# KiCad board jetson-agx-thor-baseboard.kicad_pcb (continued)
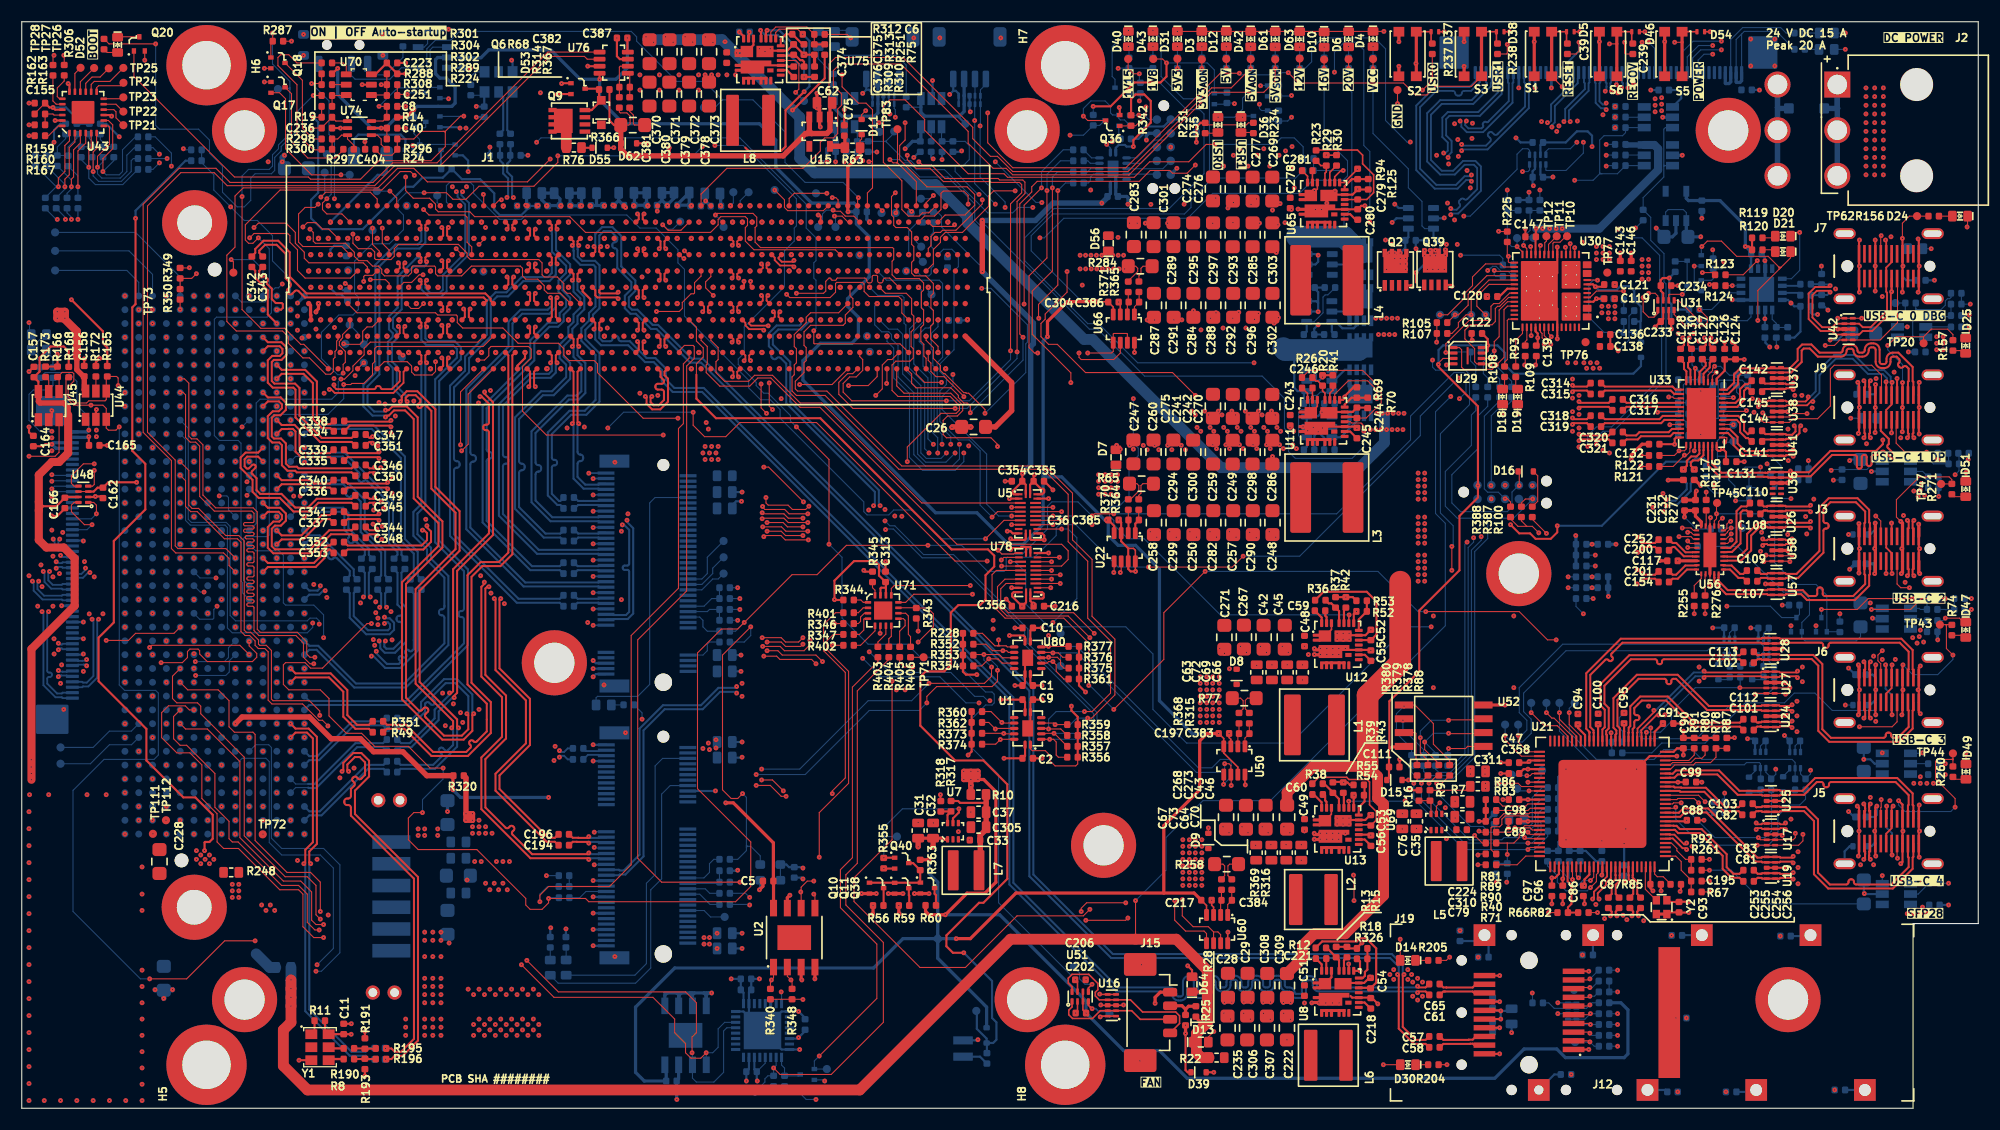
[diagram p0: board, top side]
## Routing (per net, layer and track width the routed paths; a pad name or vN(x,y) marks a point on that pad's centre or on a via; arc(x,y) is an arc through that point) (continued)
  Bottom w0.1: v1(29.57,67.66) 29.42,67.51 29.07,67.51 27.57,69.01 27.57,71.41 29.17,73.01 30.47,73.01 30.97,73.51 30.97,74.66 30.62,75.01 30.62,77.96 32.22,79.56 33.82,79.56 35.12,80.86 35.12,82.21 34.62,82.71 34.62,83.51 35.37,84.26 v1(37.02,84.26) ; v1(138.07,86.21) 138.57,86.21 138.72,86.36 U49.4 ; v1(62.62,88.51) 61.77,87.66 v1(49.32,87.66)
/CSI/CSIA_3V3: length 13.9
  Top w0.2: v1(2.77,61.11) 2.17,61.11 1.99,60.93 C164.2
  Bottom w0.1: v1(2.77,62.31) 1.67,62.31 0.67,63.31 0.67,65.71 1.07,66.11 2.47,66.11 2.87,66.51 R182.2
  Bottom w0.3: J11.47 3.13,60.75 v1(2.77,61.11) 2.91,61.25 J11.48
  vias: v1(2.77,61.71) v1(2.77,60.51)
/CSI/CSIA_3V3_ISET: length 1.5
  Top w0.1: U45.5 2.48,67.01 R173.2
/CSI/CSIA_5V: length 12.8
  Top w0.2: v1(6.17,61.81) 6.17,61.03 C165.2
  Bottom w0.1: R183.2 2.15,67.71 4.27,67.71 5.07,66.91 5.07,64.71 6.17,63.61 v1(6.17,62.41)
  Bottom w0.3: J11.50 6.01,62.25 v1(6.17,62.41) ; J11.49 6.11,61.75 v1(6.17,61.81)
  vias: v1(6.87,62.41) v1(6.87,61.81)
/CSI/CSIA_5V_ISET: length 1.3
  Top w0.1: R172.2 6.82,67.35 U44.5
/CSI/CSIA_I2C_VCC: length 7.8
  Bottom w0.1: R158.1 4.03,89.65 ; R158.1 4.04,89.24 3.27,88.47 R164.1 ; R158.1 3.97,89.58 ; R391.1 4.25,87.69 R389.1 4.27,88.47 5.07,89.27 R161.1 5.17,89.55
/CSI/CSIB_3V3: length 15
  Bottom w0.1: J10.48 157.23,98.37 158.32,99.46 161.82,99.46 162.32,98.96 R177.2
  Bottom w0.2: U47.1 152.67,92.96 152.67,93.71 C160.2
  Bottom w0.3: J10.48 157.23,94.47 157.07,94.31 156.77,94.31 156.73,94.35 J10.47
/CSI/CSIB_3V3_ISET: length 1.7
  Bottom w0.1: R180.2 147.57,91.21 U47.5
/CSI/CSIB_5V: length 15.2
  Bottom w0.1: 158.23,98.87 157.73,98.37 J10.49 ; 158.23,98.87 J10.50 ; 158.23,98.87 158.47,99.11 161.44,99.11 R178.2
  Bottom w0.3: J10.50 158.23,94.57 158.07,94.41 157.77,94.41 157.73,94.45 J10.49
/CSI/CSIB_5V_ISET: length 1.7
  Bottom w0.1: R179.2 149.25,87.73 U46.5
/CSI/CSIB_I2C_VCC: length 5.8
  Bottom w0.1: R170.1 6.22,89.26 6.47,89.01 R392.1 ; R171.1 R394.1 ; R393.1 7.47,88.91 7.23,89.15 R169.1 7.33,89.55 ; 6.13,89.58 6.2,89.65
/CSI/I2C_MUX_A0: length 2.6
  Top w0.1: R160.2 R159.1 2.87,91.51 2.97,91.41 U43.22
/CSI/I2C_MUX_RESET: length 2
  Top w0.1: U43.24 3.37,90.41 2.47,89.51 R167.2
/CSI/I2C_MUX_SCL: length 2.8
  Top w0.1: 3.91,95.06 3.91,94.55 3.27,93.91 3.27,93.11 3.47,92.91 U43.19
/CSI/I2C_MUX_SDA: length 3.3
  Top w0.1: R162.1 2.87,95.04 2.87,92.71 3.17,92.41 U43.20
/CSI/I2C_{CAM}.SCL: length 227.2
  Top w0.1: R163.2 3.91,96.87 v1(3.87,96.91)
  In5.Cu w0.1: v1(83.4,72.56) 83.85,72.11 85.87,72.11 85.97,72.01 85.97,70.27 84.74,69.04 84.59,69.04 84.54,68.98 84.34,68.98 83.77,68.41 83.77,66.81 83.27,66.31 83.27,65.13 76.87,58.73 76.87,50.41 76.52,50.06 76.52,47.96 76.87,47.61 76.87,42.61 77.57,41.91 77.57,41.61 v1(77.37,41.41) ; v1(88.07,37.31) 88.27,37.11 88.27,35.11 77.17,24.01 65.1,24.01 61.4,20.31 47.57,20.31 46.17,18.91 36.9,18.91 32.7,14.71 13.07,14.71 4.65,23.13 4.65,29.69 1.47,32.88 1.47,35.61 4.67,38.81 4.67,67.06 5.37,67.76 5.37,77.06 6.17,77.86 6.17,83.21 5.77,83.61 5.77,87.71 3.87,89.61 v1(3.87,96.91)
  Bottom w0.1: v1(77.37,41.41) 79.07,39.71 84.47,39.71 86.87,37.31 v1(88.07,37.31)
/CSI/I2C_{CAM}.SDA: length 231.4
  Top w0.1: v1(2.97,96.91) 2.88,96.82 R162.2
  In5.Cu w0.1: v1(2.97,96.91) 2.97,94.61 3.57,94.01 3.57,89.21 5.57,87.21 5.57,83.31 5.77,83.11 5.77,78.26 4.97,77.46 4.97,68.36 4.27,67.66 4.27,38.98 1.07,35.78 1.07,32.71 4.17,29.61 4.17,23.04 12.9,14.31 32.87,14.31 37.04,18.48 46.44,18.48 47.87,19.91 61.57,19.91 65.27,23.61 77.34,23.61 88.67,34.94 88.67,36.51 89.07,36.91 v1(89.07,37.51) ; v1(77.97,42.01) 77.86,42.12 77.78,42.12 77.17,42.73 77.17,47.76 76.82,48.11 76.82,49.81 77.17,50.16 77.17,58.61 83.57,65.01 83.57,66.21 84.07,66.71 84.07,68.41 84.44,68.78 84.62,68.78 84.67,68.84 84.9,68.84 86.27,70.21 86.27,72.71 85.62,73.36 83,73.36 v1(82.3,74.06)
  Bottom w0.1: v1(89.07,37.51) 88.87,37.51 88.47,37.91 87.67,37.91 85.47,40.11 79.87,40.11 v1(77.97,42.01)
/CSI/MUX_I2C_4_SCL: length 2.1
  Top w0.1: TP22.1 8.67,92.41 U43.11
/CSI/MUX_I2C_4_SDA: length 2.7
  Top w0.1: TP21.1 8.67,91.16 8.67,91.71 8.47,91.91 U43.10
/CSI/MUX_I2C_5_SCL: length 3
  Top w0.1: 6.89,93.56 6.89,93.93 7.07,94.11 9.09,94.11 TP24.1
/CSI/MUX_I2C_5_SDA: length 1.9
  Top w0.1: TP23.1 9.22,92.91 U43.12
/CSI/MUX_I2C_6_SCL: length 3.5
  Top w0.1: 5.89,93.56 5.89,94.33 6.47,94.91 7.21,94.91 TP26.1
/CSI/MUX_I2C_6_SDA: length 4.3
  Top w0.1: TP25.1 8.11,94.51 6.67,94.51 6.39,94.23 6.39,93.56
/CSI/MUX_I2C_7_SCL: length 2.4
  Top w0.1: 4.89,93.56 4.89,95.24 TP28.1
/CSI/MUX_I2C_7_SDA: length 2.7
  Top w0.1: TP27.1 5.39,94.47 5.39,93.56
/CSI/SCL_CAM0: length 9.3
  Top w0.1: U43.2 4.89,88.93 4.37,88.41 4.37,85.91 3.97,85.51 v1(3.97,84.81)
  Bottom w0.1: R390.2 3.97,85.03 v1(3.97,84.81) 3.97,84.59 R184.2
/CSI/SCL_CAM1: length 8.6
  Top w0.1: U43.4 5.89,88.83 5.17,88.11 5.17,84.71
  Bottom w0.1: R400.2 v1(5.17,84.81) 5.17,84.81 5.17,85.81 R389.2 ; 5.17,84.71 5.17,84.71
/CSI/SCL_CAM2: length 11.2
  Top w0.1: v1(6.57,86.21) 6.57,88.01 6.89,88.33 U43.6
  Bottom w0.1: R396.1 10.27,87.41 10.07,87.21 10.07,86.21 9.17,85.31 7.07,85.31 6.57,85.81 v1(6.57,86.21) 6.57,87.43 R392.2
/CSI/SCL_CAM3: length 13.4
  Top w0.1: v1(7.47,86.21) 7.47,87.41 8.37,88.31 8.37,90.51 7.97,90.91 U43.8
  Bottom w0.1: R398.1 10.47,89.41 9.27,88.21 9.27,86.21 8.97,85.91 7.77,85.91 v1(7.47,86.21) 8.47,87.21 R394.2
/CSI/SDA_CAM0: length 9.9
  Top w0.1: v1(3.37,84.81) 3.37,85.61 3.97,86.21 3.97,88.61 4.39,89.03 U43.1
  Bottom w0.1: R391.2 3.19,84.81 v1(3.37,84.81) 3.36,84.82 3.18,84.82 2.17,83.81 R181.2
/CSI/SDA_CAM1: length 9.1
  Top w0.1: v1(4.57,84.81) 4.57,85.51 4.77,85.71 4.77,88.21 5.39,88.83 U43.3
  Bottom w0.1: 3.45,86.73 R164.2 4.57,85.43 v1(4.57,84.81) 4.57,84.61 4.17,84.21 R399.2
/CSI/SDA_CAM2: length 10.8
  Top w0.1: U43.5 6.39,88.43 6.17,88.21 v1(6.17,86.61)
  Bottom w0.1: R395.1 9.29,85.01 6.77,85.01 6.17,85.61 v1(6.17,86.61) 5.47,87.31 R171.2
/CSI/SDA_CAM3: length 12.4
  Top w0.1: v1(6.97,86.61) 6.97,87.61 8.07,88.71 8.07,90.31 7.97,90.41 U43.7
  Bottom w0.1: R393.2 7.47,87.11 v1(6.97,86.61) ; v1(6.97,86.61) 6.94,86.64 ; v1(6.97,86.61) 6.97,86.01 7.37,85.61 9.07,85.61 9.67,86.21 9.67,87.71 10.37,88.41 R397.1
/CSI/VSYNC_CAM0_3V3: length 5.8
  Top w0.1: U48.8 4.82,55.76 4.57,55.51 4.57,54.91 5.77,53.71 v1(6.47,53.71)
  Bottom w0.1: J11.32 6.01,53.25 v1(6.47,53.71)
/CSI/VSYNC_CAM1_3V3: length 4.1
  Top w0.1: v1(6.87,54.71) 6.87,55.51 6.62,55.76 U48.1
  Bottom w0.1: v1(6.87,54.71) 6.41,54.25 J11.34
/CSI/VSYNC_CAM2_3V3: length 19.9
  In7.Cu w0.1: v1(149.07,98.11) 149.07,94.31 148.67,93.91 148.67,91.71 146.77,89.81 143.67,89.81 143.07,89.21 v1(143.07,88.91)
  Bottom w0.1: v1(143.07,88.91) 142.47,88.31 140.47,88.31 140.22,88.06 U49.8 ; v1(149.07,98.11) 149.07,96.51 149.23,96.35 J10.32
/CSI/VSYNC_CAM3_3V3: length 22
  In7.Cu w0.1: v1(143.67,88.91) 144.27,89.51 147.17,89.51 149.17,91.51 149.17,93.81 149.67,94.31 v1(149.67,98.11)
  Bottom w0.1: U49.1 140.22,86.36 140.27,86.31 142.07,86.31 143.67,87.91 v1(143.67,88.91) ; v1(149.67,98.11) 150.23,97.55 J10.34
/DCDC/CARRIER_PWR_ON: length 234.7
  Top w0.1: v1(130.47,28.11) 130.15,27.79 130.15,27.1 ; v1(122.57,19.11) 122.57,21.41 v1(122.52,21.46) ; v1(109.77,88.71) 108.97,88.71 107.37,87.11 103.77,87.11 102.34,85.69 90.69,85.69 90.37,86.01 87.07,86.01 83.07,90.01 83.07,91.01 81.27,92.81 79.87,92.81 79.27,92.21 79.27,87.06 80.97,85.36 80.97,82.71 81.57,82.11 82.57,82.11 82.87,82.41 83.45,82.41 J1.L62
  Top w0.15: v1(122.08,28.26) 122.08,27.65 ; v1(122.12,45.41) 122.09,45.39 U12.19
  Top w0.2: R355.2 v1(79.32,23.06) Q40.1 ; U8.19 122.09,13.26 v1(122.08,13.28) ; v1(86.22,27.56) 86.22,27.23 85.67,26.68 U7.5
  In4.Cu w0.1: v1(97.57,75.76) 96.47,75.76 96.14,75.44 96.14,73.69 102.72,67.11 102.72,65.76 v1(102.27,65.31)
  In5.Cu w0.1: v1(109.77,88.71) 109.77,85.11 103.57,78.91 103.57,76.74 102.59,75.76 v1(97.57,75.76)
  In7.Cu w0.1: v1(130.47,28.11) 130.27,28.31 v1(127.27,28.31) ; v1(122.52,21.46) 122.52,27.83 v1(122.08,28.26) ; v1(122.08,13.28) 122.08,17.11 122.57,17.6 v1(122.57,19.11) 116.38,19.11 107.13,28.36 87.02,28.36 v1(86.22,27.56)
  In7.Cu w0.15: v1(122.12,45.41) 122.87,44.66 122.87,32.71 v1(127.27,28.31)
  Bottom w0.1: v1(109.77,88.71) 115.27,88.71 115.87,89.31 117.07,89.31 117.89,88.49 R217.1 ; 79.42,25.01 79.32,25.11 ; 79.42,25.01 79.32,25.01 ; 79.42,25.01 79.32,24.91 79.32,24.81 ; 79.42,25.01 TP86.1 ; 79.32,25.11 79.32,25.01 ; 79.32,25.11 79.32,25.86 81.02,27.56 v1(86.22,27.56) ; v1(122.08,28.26) 127.22,28.26 v1(127.27,28.31) ; 79.32,25.01 79.32,24.81 ; 79.32,24.81 v1(79.32,23.06) ; v1(102.27,65.31) 102.27,61.21 102.72,60.76 102.72,60.06 101.87,59.21 101.87,56.31 100.97,55.41 100.27,55.41 100.07,55.21 100.07,54.51 100.47,54.11 100.47,53.71 101.77,52.41 103.27,52.41 110.27,45.41 v1(122.12,45.41)
/DCDC/~{VDDIN_PWR_BAD}: length 140.6
  Top w0.1: J1.L55 77.8,84.24 78.27,84.71 78.27,87.14 ; v1(71.2,93.5) 71.49,93.79 71.49,96.15 71.21,96.44 U75.14 ; 123.27,63.01 123.32,62.96 ; 123.32,62.96 123.48,62.8 123.48,62.32 v1(123.47,62.31) ; 123.32,62.96 123.21,63.07 122.36,63.07 122.24,63.19 U11.14 ; v1(77.94,87.12) 77.95,87.14 78.27,87.14 ; v1(26.67,90.21) C236.2 27.59,90.25 R19.1 28.9,90.86 U74.1 ; 78.27,87.14 78.27,91.91 77.67,92.51 76.97,92.51 75.47,94.01 v1(75.47,95.11)
  In5.Cu w0.1: v1(26.67,90.21) 28.47,90.21 31.07,92.81 37.97,92.81 38.97,93.81 47.07,93.81 48.37,95.11 51.27,95.11 52.17,94.21 69.03,94.21 69.74,93.5 v1(71.2,93.5) 72.81,95.11 v1(75.47,95.11)
  Bottom w0.1: v1(77.94,87.12) 77.96,87.12 78.27,86.81 81.52,86.81 82.62,85.71 85.2,85.71 87.67,83.24 87.67,81.76 88.17,81.26 88.67,81.26 98.22,71.71 98.97,71.71 103.29,67.39 114.12,67.39 116.17,65.34 116.17,62.56 116.54,62.19 116.54,60.44 117.17,59.81 122.39,59.81 123.47,60.89 v1(123.47,62.31) ; TP85.1 71.27,93.41 71.27,93.43 v1(71.2,93.5)
/Expansion connector/+V_{ADJ}: length 73.9
  Top w0.2: v1(16.82,23.71) 16.82,24.46 16.87,24.51 17.27,24.51 17.57,24.81 17.57,27.01 15.97,28.61 14.87,28.61 11.47,32.01 11.47,34.91 7.07,39.31 7.07,43.31 8.47,44.71 8.47,52.21 11.37,55.11 11.37,59.31 10.17,60.51 10.17,73.71 10.47,74.01 v1(10.47,81.91)
  Bottom w0.2: R275.2 15.07,87.21 10.47,82.61 v1(10.47,81.91)
  vias: v1(16.07,23.71) v1(16.07,22.91) v1(16.47,23.31) v1(16.47,22.51) v1(16.87,22.91) v1(17.27,23.31) v1(17.27,22.51) v1(17.67,22.91)
/Expansion connector/ADDR0: length 74.5
  Top w0.1: U2.1 69.16,12 68.88,11.72 R340.1
  In7.Cu w0.1: v1(27.07,12.61) 39.7,12.61 40.9,11.41 60.57,11.41 61.87,12.71 68.07,12.71 v1(68.97,11.81)
  Bottom w0.1: 20.92,32.86 21.53,33.46 22.72,33.46 22.97,33.21 22.97,24.86 23.92,23.91 27.77,23.91 29.27,22.41 29.27,14.31 27.57,12.61 v1(27.07,12.61)
/Expansion connector/ADDR1: length 75
  Top w0.1: U2.2 70.43,12.15 v1(70.77,11.81) 70.87,11.71 R348.1
  In7.Cu w0.1: v1(27.17,13.21) 27.37,13.01 39.87,13.01 41.07,11.81 60.07,11.81 61.67,13.41 69.17,13.41 v1(70.77,11.81)
  Bottom w0.1: v1(27.17,13.21) 28.67,14.71 28.67,22.11 27.47,23.31 23.92,23.31 22.77,24.46 22.77,31.91 22.47,32.21 20.28,32.21 J18.D35
/Expansion connector/CAN0.DIN: length 108.7
  Top w0.1: J1.G39 63.4,76.54 62.92,76.06 62.92,75.51 v1(63.62,74.81) ; v1(26.97,41.51) 26.52,41.51 26.22,41.81 26.22,42.93 25.34,43.81 21.94,43.81 21.67,44.08 21.67,54.88 21.29,55.26 17.84,55.26 16.67,56.43 16.67,61.06 16.12,61.61 15.62,61.61 15.37,61.86 15.37,66.74 14.97,67.14 v1(14.57,67.14)
  In5.Cu w0.1: v1(26.97,41.51) 27.22,41.26 30.57,41.26 31.57,40.26 33.07,40.26 35.68,42.87 35.68,44.07 36.07,44.46 36.07,50.98 38.27,53.18 38.27,58.83 39.54,60.11 42.74,60.11 53.2,70.56 53.8,70.56 54.81,71.57 54.81,72.8 55.67,73.66 58.19,73.66 59.62,75.09 59.94,75.09 60.84,75.99 60.84,77.34 60.54,77.64 60.54,79.11 60.89,79.46 63.84,79.46 65.27,78.04 65.27,76.89 64.44,76.06 64.44,75.64 v1(63.62,74.81)
/Expansion connector/CAN0.DOUT: length 108.8
  Top w0.1: J1.G38 62.5,76.59 61.9,75.99 61.9,75.04 61.82,74.96 61.57,74.96 60.77,74.16 60.77,73.61 60.49,73.34 v1(58.39,73.34) ; v1(26.87,40.91) 26.52,40.91 25.92,41.51 25.92,42.81 25.22,43.51 21.82,43.51 21.37,43.96 21.37,46.09 arc(21.33,46.17) 21.25,46.21 20.84,46.21 arc(20.75,46.24) 20.72,46.33 20.72,46.39 arc(20.75,46.47) 20.84,46.51 21.25,46.51 arc(21.33,46.54) 21.37,46.63 21.37,46.69 arc(21.33,46.77) 21.25,46.81 20.84,46.81 arc(20.75,46.84) 20.72,46.93 20.72,46.99 arc(20.75,47.07) 20.84,47.11 21.25,47.11 arc(21.33,47.14) 21.37,47.23 21.37,47.29 arc(21.33,47.37) 21.25,47.41 20.84,47.41 arc(20.75,47.44) 20.72,47.53 20.72,47.59 arc(20.75,47.67) 20.84,47.71 21.25,47.71 arc(21.33,47.74) 21.37,47.83 21.37,47.89 arc(21.33,47.97) 21.25,48.01 20.84,48.01 arc(20.75,48.04) 20.72,48.13 20.72,48.19 arc(20.75,48.27) 20.84,48.31 21.25,48.31 arc(21.33,48.34) 21.37,48.43 21.37,48.49 arc(21.33,48.57) 21.25,48.61 20.84,48.61 arc(20.75,48.64) 20.72,48.73 20.72,48.79 arc(20.75,48.87) 20.84,48.91 21.25,48.91 arc(21.33,48.94) 21.37,49.03 21.37,49.79 arc(21.33,49.87) 21.25,49.91 20.84,49.91 arc(20.75,49.94) 20.72,50.03 20.72,50.09 arc(20.75,50.17) 20.84,50.21 21.25,50.21 arc(21.33,50.24) 21.37,50.33 21.37,51.09 arc(21.33,51.17) 21.25,51.21 20.84,51.21 arc(20.75,51.24) 20.72,51.33 20.72,51.39 arc(20.75,51.47) 20.84,51.51 21.25,51.51 arc(21.33,51.54) 21.37,51.63 21.37,51.69 arc(21.33,51.77) 21.25,51.81 20.84,51.81 arc(20.75,51.84) 20.72,51.93 20.72,51.99 arc(20.75,52.07) 20.84,52.11 21.25,52.11 arc(21.33,52.14) 21.37,52.23 21.37,52.29 arc(21.33,52.37) 21.25,52.41 20.69,52.41 arc(20.6,52.44) 20.57,52.53 20.57,52.59 arc(20.6,52.67) 20.69,52.71 21.25,52.71 arc(21.33,52.74) 21.37,52.83 21.37,52.89 arc(21.33,52.97) 21.25,53.01 20.54,53.01 arc(20.45,53.04) 20.42,53.13 20.42,53.19 arc(20.45,53.27) 20.54,53.31 21.25,53.31 arc(21.33,53.34) 21.37,53.43 21.37,53.49 arc(21.33,53.57) 21.25,53.61 20.54,53.61 arc(20.45,53.64) 20.42,53.73 20.42,53.79 arc(20.45,53.87) 20.54,53.91 21.25,53.91 arc(21.33,53.94) 21.37,54.03 21.37,54.76 21.17,54.96 17.72,54.96 16.37,56.31 16.37,60.94 16,61.31 15.5,61.31 15.07,61.74 15.07,65.66 14.84,65.89 v1(14.57,65.89)
  In5.Cu w0.1: v1(26.87,40.91) 27.22,40.91 27.24,40.94 30.44,40.94 31.44,39.94 33.2,39.94 36.01,42.74 36.01,43.97 36.37,44.33 36.37,50.86 38.67,53.16 38.67,58.81 39.67,59.81 42.87,59.81 53.32,70.26 53.92,70.26 56.32,72.66 57.19,72.66 57.87,73.34 v1(58.39,73.34)
/Expansion connector/CAN1.DIN: length 107
  Top w0.1: J1.H36 60.85,78.21 v1(60.92,78.21)
  In5.Cu w0.1: v1(60.92,78.21) 61.32,77.81 64.32,77.81 64.72,77.41 64.72,76.94 64.09,76.31 63.75,76.31 arc(63.65,76.35) 63.61,76.45 63.61,76.94 arc(63.56,77.04) 63.47,77.08 63.4,77.08 arc(63.3,77.04) 63.26,76.94 63.26,76.45 arc(63.21,76.35) 63.12,76.31 63.05,76.31 arc(62.95,76.35) 62.91,76.45 62.91,76.94 arc(62.86,77.04) 62.77,77.08 62.7,77.08 arc(62.6,77.04) 62.56,76.94 62.56,76.45 arc(62.51,76.35) 62.42,76.31 61.74,76.31 58.82,73.39 58.82,73.11 58.67,72.96 58.07,72.96 57.47,72.36 56.44,72.36 54.04,69.96 53.45,69.96 42.99,59.51 39.79,59.51 39.07,58.78 39.07,53.13 36.67,50.73 36.67,44.21 36.37,43.91 36.37,42.36 33.12,39.11 31.69,39.11 30.89,39.91 25.87,39.91 25.52,40.26 25.52,42.26 27.37,44.11 v1(27.37,44.56)
  Bottom w0.1: J18.H10 15.32,62.59 15.32,54.21 15.61,53.92 18.81,53.92 19.17,53.56 19.17,45.36 19.67,44.86 26.27,44.86 26.52,45.11 27.12,45.11 27.37,44.86 v1(27.37,44.56)
/Expansion connector/CAN1.DOUT: length 107.1
  Top w0.1: v1(60.97,78.91) 61.32,78.56 J1.H37
  In5.Cu w0.1: v1(26.77,44.66) 26.77,43.93 25.22,42.38 25.22,40.14 25.75,39.61 30.77,39.61 31.47,38.91 33.22,38.91 36.77,42.46 36.77,43.89 36.97,44.09 36.97,50.61 39.47,53.11 39.47,58.76 39.92,59.21 43.12,59.21 50.74,66.84 51.89,66.84 53.02,67.96 53.02,68.19 53.77,68.94 54.44,68.94 54.92,69.41 54.92,70.41 56.57,72.06 58.67,72.06 59.12,72.51 59.12,73.26 59.52,73.66 60.72,73.66 61.04,73.98 61.04,75.19 61.84,75.99 64.07,75.99 64.97,76.89 64.97,77.71 64.57,78.11 62.17,78.11 61.37,78.91 v1(60.97,78.91)
  Bottom w0.1: v1(26.77,44.66) 26.77,44.26 26.27,43.76 19.37,43.76 18.92,44.21 18.92,53.46 18.71,53.67 15.51,53.67 15.07,54.11 15.07,61.57 J18.H11
/Expansion connector/CAN2.DIN: length 121.3
  Top w0.1: v1(71.27,75.01) 73.77,75.01 73.97,75.21 73.97,76.11 74.27,76.41 74.36,76.41 arc(74.43,76.38) 74.46,76.31 arc(74.49,76.24) 74.56,76.21 74.86,76.21 arc(74.93,76.24) 74.96,76.31 arc(74.99,76.38) 75.06,76.41 77.54,76.41 arc(77.68,76.35) 77.74,76.21 77.74,76.16 arc(77.8,76.02) 77.94,75.96 78.04,75.96 arc(78.18,76.02) 78.24,76.16 78.24,76.54 arc(78.28,76.62) 78.37,76.66 78.62,76.66 arc(78.7,76.62) 78.74,76.54 78.74,76.16 arc(78.8,76.02) 78.94,75.96 79.04,75.96 arc(79.18,76.02) 79.24,76.16 79.24,76.21 arc(79.3,76.35) 79.44,76.41 79.85,76.41 J1.F58 ; v1(14.57,59.51) 15.37,58.71 15.37,55.51 15.67,55.21 16.27,55.21 18.77,52.71 19.97,52.71 20.47,52.21 20.47,44.01 20.67,43.81 21.07,43.81 21.78,43.1 21.78,42.72 21.89,42.61 22.49,42.61 22.97,42.13 22.97,37.66 23.12,37.51 26.47,37.51 27.42,36.56 v1(27.42,36.16)
  In5.Cu w0.1: v1(27.42,36.16) 35.12,36.16 40.52,41.56 40.52,41.71 40.62,41.81 40.62,42.46 40.97,42.81 40.97,43.11 43.82,45.96 44.57,45.96 45.42,46.81 v1(55.17,46.81) ; v1(71.27,75.01) 70.8,75.01 70.5,75.31 70.07,75.31 69.97,75.21 69.97,74.51 70.17,74.31 70.17,67.41 65.87,63.11 v1(62.97,63.11)
  In7.Cu w0.1: v1(55.17,46.81) 60.57,52.21 60.57,52.43 arc(60.51,52.57) 60.37,52.63 59.77,52.63 arc(59.63,52.69) 59.57,52.83 59.57,52.93 arc(59.63,53.07) 59.77,53.13 60.37,53.13 arc(60.51,53.19) 60.57,53.33 60.57,53.43 arc(60.51,53.57) 60.37,53.63 59.77,53.63 arc(59.63,53.69) 59.57,53.83 59.57,53.93 arc(59.63,54.07) 59.77,54.13 60.37,54.13 arc(60.51,54.19) 60.57,54.33 60.57,54.43 arc(60.51,54.57) 60.37,54.63 59.77,54.63 arc(59.63,54.69) 59.57,54.83 59.57,54.93 arc(59.63,55.07) 59.77,55.13 60.37,55.13 arc(60.51,55.19) 60.57,55.33 60.57,61.71 61.97,63.11 v1(62.97,63.11)
/Expansion connector/CAN2.DOUT: length 120.9
  Top w0.1: v1(70.37,74.91) 70.67,74.61 74.37,74.61 74.87,75.11 74.87,75.91 74.97,76.01 77.37,76.01 77.5,75.88 77.5,75.18 77.97,74.71 80.67,74.71 80.97,74.41 80.97,73.19 J1.D59 ; v1(14.57,58.26) 15.07,57.76 15.07,55.39 15.55,54.91 16.15,54.91 18.65,52.41 19.85,52.41 20.17,52.09 20.17,43.89 20.55,43.51 20.97,43.51 21.47,43.01 21.47,42.61 21.77,42.31 22.37,42.31 22.67,42.01 22.67,37.56 23.02,37.21 25.84,37.21 27.34,35.71 27.67,35.71 28.17,35.21 v1(28.17,35.19)
  In5.Cu w0.1: v1(70.37,74.91) 71.07,74.21 71.07,73.61 71.27,73.41 71.27,71.39 71.04,71.16 71.04,70.04 71.88,69.21 71.88,67.92 66.47,62.51 v1(63.17,62.51) ; v1(52.07,44.71) 51.57,44.71 50.67,45.61 45.67,45.61 43.77,43.71 43.77,43.21 41.32,40.76 41.32,38.11 39.87,36.66 37.82,36.66 36.12,34.96 28.39,34.96 v1(28.17,35.19)
  In7.Cu w0.1: v1(52.07,44.71) 53.07,45.71 55.47,45.71 60.97,51.21 60.97,61.31 62.17,62.51 v1(63.17,62.51)
/Expansion connector/CAN3.DIN: length 191.7
  Top w0.1: v1(86.68,65.49) 86.68,65.51 84.86,67.34 84.12,67.34 83.64,67.81 83.64,68.59 83.4,68.83 J1.B61
  In5.Cu w0.1: v1(86.68,65.49) 86.69,65.49 87.77,64.41 87.77,62.49 arc(87.71,62.35) 87.57,62.29 86.97,62.29 arc(86.83,62.23) 86.77,62.09 86.77,61.99 arc(86.83,61.85) 86.97,61.79 87.57,61.79 arc(87.71,61.73) 87.77,61.59 87.77,61.49 arc(87.73,61.4) 87.64,61.37 arc(87.56,61.33) 87.52,61.24 87.52,60.99 arc(87.56,60.9) 87.64,60.87 arc(87.73,60.83) 87.77,60.74 87.77,60.49 arc(87.71,60.35) 87.57,60.29 87.22,60.29 arc(87.08,60.23) 87.02,60.09 87.02,59.99 arc(87.08,59.85) 87.22,59.79 87.57,59.79 arc(87.71,59.73) 87.77,59.59 87.77,59.49 arc(87.71,59.35) 87.57,59.29 87.07,59.29 arc(86.93,59.23) 86.87,59.09 86.87,58.99 arc(86.93,58.85) 87.07,58.79 87.57,58.79 arc(87.71,58.73) 87.77,58.59 87.77,58.49 arc(87.71,58.35) 87.57,58.29 87.07,58.29 arc(86.93,58.23) 86.87,58.09 86.87,57.99 arc(86.93,57.85) 87.07,57.79 87.57,57.79 arc(87.71,57.73) 87.77,57.59 87.77,57.49 arc(87.71,57.35) 87.57,57.29 87.07,57.29 arc(86.93,57.23) 86.87,57.09 86.87,56.99 arc(86.93,56.85) 87.07,56.79 87.57,56.79 arc(87.71,56.73) 87.77,56.59 87.77,56.49 arc(87.71,56.35) 87.57,56.29 87.07,56.29 arc(86.93,56.23) 86.87,56.09 86.87,55.99 arc(86.93,55.85) 87.07,55.79 87.57,55.79 arc(87.71,55.73) 87.77,55.59 87.77,55.49 arc(87.71,55.35) 87.57,55.29 87.07,55.29 arc(86.93,55.23) 86.87,55.09 86.87,54.99 arc(86.93,54.85) 87.07,54.79 87.57,54.79 arc(87.71,54.73) 87.77,54.59 87.77,54.49 arc(87.71,54.35) 87.57,54.29 87.07,54.29 arc(86.93,54.23) 86.87,54.09 86.87,53.99 arc(86.93,53.85) 87.07,53.79 87.57,53.79 arc(87.71,53.73) 87.77,53.59 87.77,53.49 arc(87.71,53.35) 87.57,53.29 87.07,53.29 arc(86.93,53.23) 86.87,53.09 86.87,52.99 arc(86.93,52.85) 87.07,52.79 87.57,52.79 arc(87.71,52.73) 87.77,52.59 87.77,52.49 arc(87.71,52.35) 87.57,52.29 87.07,52.29 arc(86.93,52.23) 86.87,52.09 86.87,51.99 arc(86.93,51.85) 87.07,51.79 87.57,51.79 arc(87.71,51.73) 87.77,51.59 87.77,51.49 arc(87.71,51.35) 87.57,51.29 87.07,51.29 arc(86.93,51.23) 86.87,51.09 86.87,50.99 arc(86.93,50.85) 87.07,50.79 87.57,50.79 arc(87.71,50.73) 87.77,50.59 87.77,49.81 86.47,48.51 86.47,46.81 87.07,46.21 87.07,35.31 76.37,24.61 64.65,24.61 61.75,21.71 60.98,21.71 arc(60.87,21.75) 60.83,21.86 60.83,22.56 arc(60.78,22.67) 60.68,22.71 60.61,22.71 arc(60.5,22.67) 60.46,22.56 60.46,21.86 arc(60.41,21.75) 60.31,21.71 60.24,21.71 arc(60.13,21.75) 60.09,21.86 60.09,22.56 arc(60.04,22.67) 59.94,22.71 59.87,22.71 arc(59.76,22.67) 59.72,22.56 59.72,21.86 arc(59.67,21.75) 59.57,21.71 59.5,21.71 arc(59.39,21.75) 59.35,21.86 59.35,22.56 arc(59.3,22.67) 59.2,22.71 59.13,22.71 arc(59.02,22.67) 58.98,22.56 58.98,21.86 arc(58.93,21.75) 58.83,21.71 58.76,21.71 arc(58.65,21.75) 58.61,21.86 58.61,22.56 arc(58.56,22.67) 58.46,22.71 58.39,22.71 arc(58.28,22.67) 58.24,22.56 58.24,21.86 arc(58.19,21.75) 58.09,21.71 58.02,21.71 arc(57.91,21.75) 57.87,21.86 57.87,22.56 arc(57.82,22.67) 57.72,22.71 57.65,22.71 arc(57.54,22.67) 57.5,22.56 57.5,21.86 arc(57.45,21.75) 57.35,21.71 57.28,21.71 arc(57.17,21.75) 57.13,21.86 57.13,22.56 arc(57.08,22.67) 56.98,22.71 56.91,22.71 arc(56.8,22.67) 56.76,22.56 56.76,21.86 arc(56.71,21.75) 56.61,21.71 56.54,21.71 arc(56.43,21.75) 56.39,21.86 56.39,22.56 arc(56.34,22.67) 56.24,22.71 56.17,22.71 arc(56.06,22.67) 56.02,22.56 56.02,21.86 arc(55.97,21.75) 55.87,21.71 55.8,21.71 arc(55.69,21.75) 55.65,21.86 55.65,22.56 arc(55.6,22.67) 55.5,22.71 55.43,22.71 arc(55.32,22.67) 55.28,22.56 55.28,21.86 arc(55.23,21.75) 55.13,21.71 55.06,21.71 arc(54.95,21.75) 54.91,21.86 54.91,22.56 arc(54.86,22.67) 54.76,22.71 54.69,22.71 arc(54.58,22.67) 54.54,22.56 54.54,21.86 arc(54.49,21.75) 54.39,21.71 49.77,21.71 49.07,21.01 47.07,21.01 45.77,19.71 36.67,19.71 32.27,15.31 23.97,15.31 20.87,18.41 20.87,24.56 20.44,24.99 20.44,28.13 19.97,28.61 14.99,28.61 14.07,29.54 14.07,40.56 15.27,41.76 15.27,43.41 14.92,43.76 14.52,43.76 14.07,44.21 14.07,45.09 11.57,47.59 11.57,50.69 13.92,53.04 13.92,55.46 14.17,55.72 v1(14.58,55.72)
/Expansion connector/CAN3.DOUT: length 191.7
  Top w0.1: J1.H61 83.4,79.14 83.64,79.39 83.64,80.24 84.02,80.61 84.52,80.61 84.72,80.81 85.94,80.81 88.37,83.24 v1(88.37,83.61)
  In5.Cu w0.1: v1(14.58,54.45) 15.02,54.89 15.02,56.16 14.97,56.21 14.04,56.21 12.72,54.89 12.72,52.71 11.22,51.21 11.22,47.31 13.72,44.81 13.72,44.26 14.47,43.51 14.67,43.51 14.97,43.21 14.97,42.81 13.72,41.56 13.72,29.46 14.87,28.31 19.84,28.31 20.14,28.01 20.14,24.86 20.57,24.44 20.57,18.29 23.85,15.01 32.39,15.01 36.79,19.41 45.89,19.41 47.19,20.71 49.19,20.71 49.89,21.41 61.87,21.41 64.77,24.31 76.49,24.31 87.37,35.19 87.37,46.41 86.87,46.91 86.87,48.34 88.17,49.64 88.17,65.21 92.77,69.81 92.77,80.91 92.03,81.65 92.03,82.53 90.04,84.51 87.75,84.51 87.52,84.28 87.52,83.78 87.69,83.61 v1(88.37,83.61)
/Expansion connector/DP1.AUX+: length 22.6
  Bottom w0.19: J18.Y10 26.45,62.89 26.72,62.89 26.73,62.9 32.35,62.9 35.25,59.99 35.25,52.39 36.43,51.21 36.43,49.02 36.75,48.71 C332.2
/Expansion connector/DP1.AUX-: length 22.6
  Bottom w0.19: J18.Y11 26.45,62.52 26.86,62.52 26.87,62.53 32.19,62.53 34.88,59.83 34.88,59.44 arc(34.81,59.27) 34.64,59.2 34.61,59.2 arc(34.44,59.13) 34.37,58.96 34.37,58.84 arc(34.44,58.67) 34.61,58.6 34.64,58.6 arc(34.81,58.53) 34.88,58.36 34.88,52.23 36.06,51.05 36.06,49.02 35.75,48.71 C333.2
/Expansion connector/DP1.HPD: length 36.7
  Top w0.1: J1.C18 41.95,70.51 32.07,70.51 31.5,69.94 31.5,69.34 30.47,68.31 30.47,67.88 29.7,67.11 v1(29.37,67.11)
  Bottom w0.1: J18.C18 21.57,53.82 21.57,64.91 21.92,65.26 28.52,65.26 29.12,65.86 29.12,66.86 v1(29.37,67.11)
/Expansion connector/DP1.TX0+: length 14.7
  Bottom w0.19: C324.1 33.75,48.72 33.43,49.03 33.43,51.31 31.55,53.19 31.55,55.99 29.75,57.8 27.97,57.8 27.96,57.81 26.45,57.81 J18.Y14
/Expansion connector/DP1.TX0-: length 14.7
  Bottom w0.19: J18.Y15 26.45,57.44 27.82,57.44 27.83,57.43 29.59,57.43 29.9,57.12 arc(29.97,56.95) 29.9,56.78 29.88,56.75 arc(29.81,56.58) 29.88,56.41 29.96,56.33 arc(30.13,56.26) 30.3,56.33 30.33,56.35 arc(30.5,56.42) 30.67,56.35 31.18,55.83 31.18,53.03 33.06,51.15 33.06,49.03 32.75,48.72 C328.1
/Expansion connector/DP1.TX1+: length 7.1
  Bottom w0.19: J18.Y18 26.45,52.73 27.42,52.73 30.54,49.6 30.54,49.02 30.85,48.72 C325.1
